# Altium PCB GameBoard_V1I1_Phase1.PcbDoc (part 12 of 18) (continued)
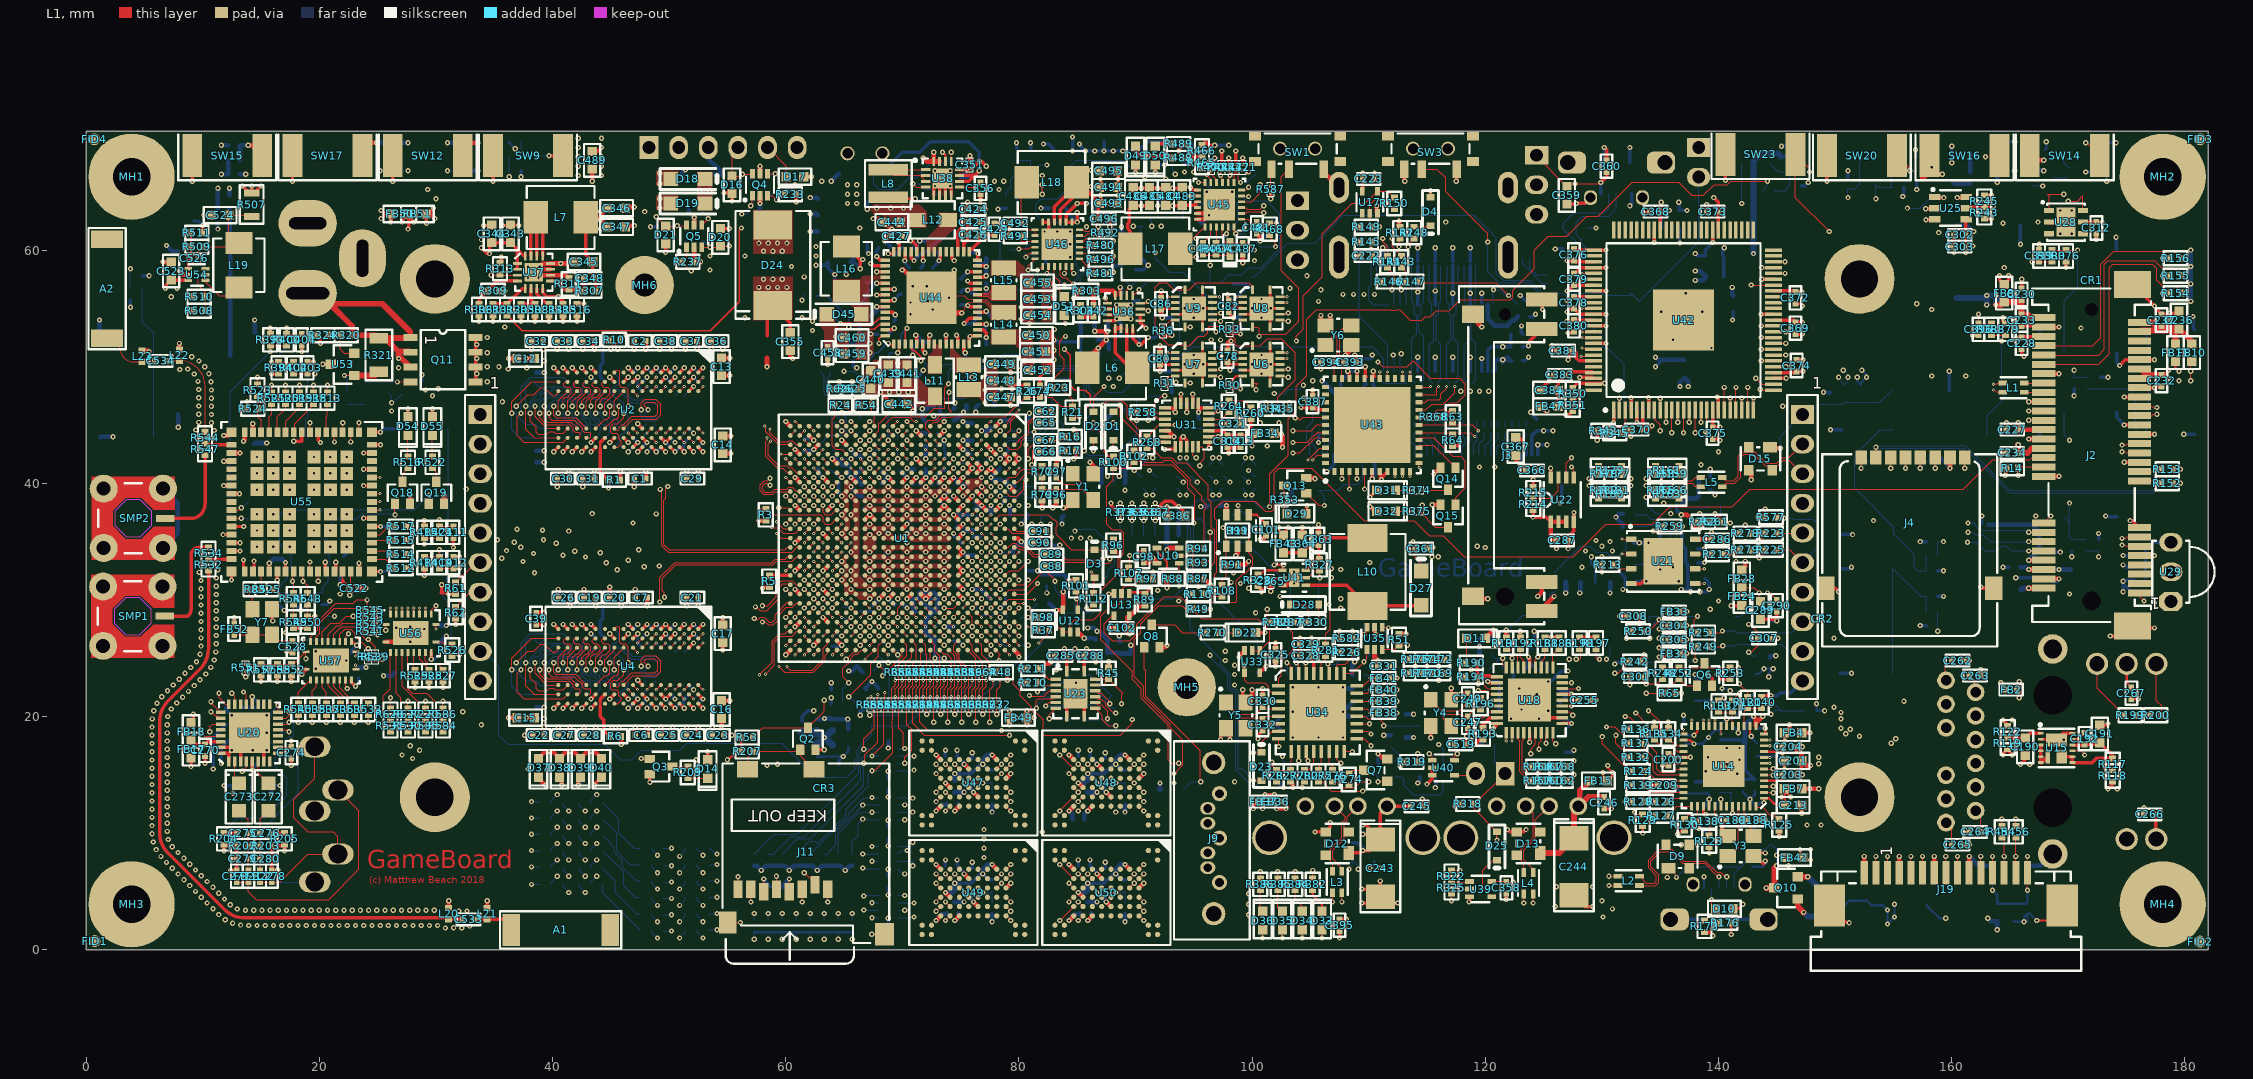
[diagram p0: L1 view]
## Nets (pads, with @x,y where several pads share a name; then routed paths per layer and width w, separated by ;. In a path a pad name is that pad's centre, name@x,y a point inside that pad or via, vN(x,y) a via of type N, cw(c..) or ccw(c..) an arc to the next point about the centre after c; other vN are vias at no path point) (continued)
  L1 w0.4: L23.2@4.8,51.375 5.325,51.375 v1(5.4,51.3) ; v1(6.6,59) 6.65,58.95 C523.2@7.3,58.95 ; L22.2@8,51.475 v1(8,52) ; v1(8,58.2) 8.3,57.9 U54.2@8.76,57.9 ; R511.1@10,61.5 v1(10,62.1) ; v1(10.1,63) C524.2@10.75,63 ; v1(11.8,39.8) U55.23@12.475,39.8 ; v1(11.8,41.9) U55.20@12.475,41.9 ; v1(11.8,44.1) 12.2,44.1 U55.17@12.475,44.375 ; U55.24@12.475,39.1 v1(13.15,39.1) ; U55.19@12.475,42.6 v1(13.2,42.6) ; v1(13.5,43.6) 13.6,43.7 U55.16@13.6,44.375 ; U55.15@14.3,44.375 v1(14.3,45.1) ; v1(17.2,25.6) 17.6,25.6 C528.1@17.7,25.5 ; v1(17.6,23) R552.1@17.6,23.5 ; v1(18.5,23.6) 18.5,23.7 U57.11@18.85,24.05 ; U56.11@25.7,26.4 27.1,26.4 U56.21@27.85,27.15 ; Q18.2@27.785,38.252 27.8,38.267 v1(27.8,39) ; Q19.2@30.685,38.252 30.7,38.266 v1(30.7,39) ; L20.2@31.1,3.575 v1(31.1,4.2) ; L21.2@34.4,3.575 v1(34.4,4.2) ; R309.1@35.4,56.5 v1(35.9,56.5) ; v2(36.25,19.9) C15.2@36.95,19.9 ; v2(36.25,50.7) C12.2@36.95,50.7 ; v2(37.6,18.4) C22.2@38.3,18.4 ; v2(38.2,51.5) C32.2@38.2,52.2 ; v1(38.5,53.9) R308.1@38.5,54.4 ; C39.2@38.6,28.9 v2(39.3,28.9) ; v1(39.7,53.9) R314.1@39.7,54.4 ; U37.11@39.81,58.35 U37.17@38.65,58.35 ; v2(40.4,39.7) C30.2@40.4,40.4 ; v2(40.4,51.5) C33.2@40.4,52.2 ; C27.2@40.5,18.4 v2(40.5,19.1) ; C26.2@40.5,30.2 v2(40.5,30.9) ; v1(40.9,53.9) R315.1@40.9,54.4 ; R311.1@41.4,57.6 41.15,57.85 U37.10@39.81,57.85 38.65,57.85 U37.17@38.4,58.1 U37.17@38.65,58.35 ; C345.2@41.95,59 41.8,58.85 v1(40.7,58.85) U37.12@39.81,58.85 39.81,58.82 39.12,58.82 U37.17@38.65,58.35 ; v1(42.1,53.9) R316.1@42.1,54.4 ; v2(42.6,39.7) C31.2@42.6,40.4 ; v2(42.6,51.5) C34.2@42.6,52.2 ; C28.2@42.7,18.4 v2(42.7,19.1) ; C19.2@42.7,30.2 v2(42.7,30.9) ; v1(43.4,65.9) C489.2@43.4,66.95 ; R1.1@45.8,40.3 v2(45.8,41) ; v2(45.9,17.6) R6.1@45.9,18.3 ; v2(45.9,29.5) C20.2@45.9,30.2 ; C347.2@46.25,62 46.35,62.1 v1(47,62.1) ; C346.2@46.25,63.6 46.35,63.7 v1(47,63.7) ; C1.2@48,40.4 v2(48,41.1) ; v2(48,51.5) C2.2@48,52.2 ; C6.2@48.1,18.4 v2(48.1,19.1) ; v2(48.1,29.5) C7.2@48.1,30.2 ; v2(50.2,51.5) C38.2@50.2,52.2 ; C25.2@50.3,18.4 v2(50.3,19.1) ; v2(52.4,51.5) C37.2@52.4,52.2 ; C24.2@52.5,18.4 v2(52.5,19.1) ; v2(52.5,29.5) C21.2@52.5,30.2 ; C29.2@52.5,40.4 v2(52.5,41.1) ; v2(54.5,19.15) C16.2@54.5,19.85 ; C13.2@54.5,50.75 v2(55.2,50.75) ; v2(54.6,25.7) C17.2@54.6,26.35 ; C14.2@54.6,44.05 v2(55.3,44.05) ; v2(54.6,51.5) C36.2@54.6,52.2 ; C23.2@54.7,18.4 v2(55.4,18.4) ; v1(57.7,36.8) R3.1@58.3,36.8 ; v1(58.4,50) 58.4,50.75 ; v2(60,25.3) U1.AE25@60.4,25.7 ; v2(60,45.3) U1.AE1@60.4,44.9 ; C355.2@60.4,51.4 60.4,50.9 v1(60.6,50.7) ; v2(60.8,27.7) U1.AD22@61.2,28.1 ; v2(60.8,30.9) U1.AD19@61.2,30.5 ; v2(60.8,32.5) U1.AD16@61.2,32.9 ; v2(60.8,34.9) U1.AD13@61.2,35.3 ; v2(60.8,38.1) U1.AD10@61.2,37.7 ; v2(60.8,40.5) U1.AD7@61.2,40.1 ; v2(60.8,42.9) U1.AD4@61.2,42.5 ; D17.2@61.55,66.3 v1(62.2,66.3) ; v2(62.4,26.1) U1.AB24@62.8,26.5 ; v2(62.4,42.9) U1.AB3@62.8,43.3 ; v2(63.2,28.5) U1.AA22@63.6,28.1 ; v2(63.2,30.9) U1.AA19@63.6,30.5 ; v2(63.2,32.5) U1.AA16@63.6,32.9 ; v2(63.2,35.7) U1.AA13@63.6,35.3 ; v2(63.2,40.5) U1.AA7@63.6,40.1 ; U1.AA10@63.6,37.7 v2(64,38.1) ; v1(63.6,50.2) C458.2@63.6,50.7 ; v2(64,42.1) U1.Y5@64.4,41.7 ; U1.Y24@64.4,26.5 v2(64.8,26.1) ; v2(64.8,43.7) U1.W3@65.2,43.3 ; U1.U11@66.8,36.9 v2(67.2,37.3) U1.T11@67.6,36.9 ; v1(67.5,62.7) 68.05,62.7 C444.2@68.35,62.4 68.5,62.4 v1(69.1,61.8) ; v2(68.5,60.8) 68.9,61.2 C427.2@69,61.2 ; v2(70,58.3) 70.1,58.3 U44.57@72.5,55.9 73.8,54.6 v2(75.1,54.6) ; v2(71.2,42.1) U1.L5@71.6,41.7 ; v2(71.2,44.5) U1.L2@71.6,44.1 ; v1(71.8,67.9) 72.1,67.6 U38.16@72.7,67.6 ; v1(72.7,68.4) U38.16@72.7,67.6 ; v2(72.9,2.5) U49.K8@73.3,2.9 ; v2(72.9,7.3) U49.K3@73.3,6.9 ; v2(72.9,11.9) U47.K8@73.3,12.3 ; v2(72.9,16.7) U47.K3@73.3,16.3 ; U1.J2@73.2,44.1 v2(73.6,44.5) ; U38.15@73.2,67.6 U38.16@72.7,67.6 ; U1.G19@74.8,30.5 v2(75.2,30.1) ; U1.G10@74.8,37.7 v2(75.2,38.1) ; U1.G3@74.8,43.3 v2(75.2,42.9) ; U1.F6@75.6,40.9 v2(76,41.3) U1.F5@75.6,41.7 ; C351.2@75.8,67.565 v1(75.8,68.1) ; v2(76.1,4.1) U49.F7@76.5,3.7 ; v2(76.1,13.5) U47.F7@76.5,13.1 ; U1.E6@76.4,40.9 v2(76.8,41.3) U1.E5@76.4,41.7 ; C424.2@76.6,63.5 v1(77.1,63.5) ; v1(76.7,64.3) C356.1@76.7,64.8 ; U1.D6@77.2,40.9 v2(77.6,41.3) U1.C6@78,40.9 ; U1.D3@77.2,43.3 v2(77.6,42.9) U1.C4@78,42.5 ; U1.C10@78,37.7 v2(78.4,38.1) ; U1.C1@78,44.9 v2(78.4,45.3) ; U1.B5@78.8,41.7 v2(79.2,42.1) U1.B4@78.8,42.5 ; U49.C5@78.9,5.3 v2(79.3,5.7) ; U47.C5@78.9,14.7 v2(79.3,15.1) ; v2(79.2,39.7) U1.A8@79.6,39.3 ; U1.A25@79.6,25.7 v2@80,25.3 ; U1.A13@79.6,35.3 79.9,35.3 v2(80.2,35) ; U1.A5@79.6,41.7 v2(80,42.1) U1.A4@79.6,42.5 ; v2(82,37.9) R79.2@82,38.5 ; v1(82.9,37.9) 83.2,38.2 C96.2@83.2,38.5 ; v1(83.8,37.9) 84,37.9 84.625,38.525 Y1.2@84.625,38.575 ; v2(84.3,2.5) U50.K8@84.7,2.9 ; v2(84.3,7.3) U50.K3@84.7,6.9 ; v2(84.3,11.9) U48.K8@84.7,12.3 ; v2(84.3,16.7) U48.K3@84.7,16.3 ; v1(84.7,55.9) R303.1@85.3,56.5 ; U12.3@85.05,27.25 v1(85.6,26.7) ; v1(86.1,41.8) 86.375,41.525 Y1.4@86.375,40.825 ; v1(86.6,24.7) C288.2@86.6,25.2 ; v2(87.5,4.1) U50.F7@87.9,3.7 ; v2(87.5,13.5) U48.F7@87.9,13.1 ; U50.C5@90.3,5.3 v2(90.7,5.7) ; U48.C5@90.3,14.7 v2(90.7,15.1) ; v1(90.3,33.8) 90.3,33.9 90.6,34.2 C98.2@90.7,34.2 ; Q8.2@92.05,25.95 92.55,25.95 v1(92.7,26.1) ; C80.2@92.1,51.2 v2(92.1,51.8) ; C86.2@92.2,55.9 v2(92.2,56.5) ; R36.1@92.4,52.835 92.535,52.7 v2(93.1,52.7) ; U31.5@92.525,44.5 92.8,44.5 v1(93.3,44) ; v1(92.7,34.3) 92.85,34.45 U10.3@93.75,34.45 ; v1(92.7,38) 92.7,37.275 C386.2@92.75,37.225 ; U45.18@95.3,62.65 95.95,62.65 v1(97.2,63.9) ; U45.17@95.3,63.15 U45.25@96.3,63.15 ; R470.1@96.5,67.365 96.5,67.6 v1(96.8,67.9) ; C78.2@97.9,51.4 97.9,52 98.1,52.2 v1(98.2,52.2) ; v1(98,42.6) 98,43 C314.2@97.9,43.1 C313.2@99,43.1 ; R33.1@98.1,52.935 98.865,52.935 v2(99,52.8) ; v1(98.6,33.8) 98.75,33.95 U11.2@98.75,34.6 ; v1(98.9,25.1) 98.9,25.2 U33.3@99.35,25.65 ; C321.2@98.9,45.1 v1(98.9,45.6) ; v1(99.2,58.9) C487.2@99.2,59.6 ; Y5.4@99.45,21.2 100,21.75 v1(100,22.3) ; C481.2@100.4,61.4 100.7,61.1 v1(100.7,60.8) ; R328.1@100.5,31.2 100.8,30.9 v1(100.8,30.7) ; v1(100.7,35.2) 100.757,35.2 100.829,35.128 C101.2@101.2,35.5 ; v1(101.6,30.735) C365.2@101.6,31.335 ; C325.2@102,25.8 v1(102,26.3) ; U41.3@102.605,31.25 102.95,31.25 U41.7@103.6,31.9 ; R35.1@103.2,46.4 v1(103.2,46.9) ; U41.7@103.6,31.3 v1(103.6,31.4) ; C329.2@104.1,26.2 v1(104.1,26.7) ; C364.2@104.3,35.55 v1(104.3,36.2) ; Q13.2@104.65,40.45 105.35,40.45 v1(105.4,40.4) ; C387.2@105.2,47.5 v1(105.2,48) ; C363.2@105.7,35.7 v1(105.7,36.45) ; v1(105.9,49.8) C394.1@105.9,50.4 ; v1(105.9,54.4) 105.9,53.95 Y6.4@106.3,53.55 106.7,53.95 v1(106.7,54.4) ; SW1.1@106.15,66.95 106.15,66.66 J1.MTG4@107.45,65.36 ; v1(108,51) 108.5,51.5 Y6.2@108.5,51.85 ; v1(108.8,51) 108.9,50.9 C393.1@108.9,50.4 ; v1(108.8,59.5) C222.2@109.3,59.5 ; v1(108.8,60.7) R145.1@109.3,60.7 ; C223.2@110.5,66.1 v1(110.5,66.6) ; v1(110.7,63.8) 110.7,63.2 U17.3@110.75,63.15 ; v1(112.6,62.5) 112.6,62.1 R142.2@112.7,62 ; C361.2@115,34.4 115.1,34.5 v1(115.5,34.5) ; v1(115.45,38.15) Q15.2@116.15,38.15 ; v1(115.6,40.8) Q14.2@116.15,41.35 ; J3.3@118.95,30.3 119.15,30.1 v1(120.2,30.1) ; J3.6@118.95,54.5 118.95,54.15 v1(119.7,53.4) ; D11.1@120,26.7 v1(120.7,27.4) ; R191.1@121.8,26.8 v1(121.8,27.4) ; v1(124.5,30.3) 124.85,30.65 J3.2@124.85,31.55 ; J3.1@124.85,29.05 124.85,29.25 v1(125.9,30.3) ; v1(136.8,37.3) 137.3,37.3 137.8,36.8 137.8,36.4 138.1,36.1 v1(138.4,36.1) 138.4,36.5 R262.2@138.2,36.7 ; D15.3@142.6,41.1 142.8,40.9 v1(142.8,40.3) ; v1(143,20) 143.2,19.8 U14.13@143.2,19.4 ; U14.13@143.2,19.18 U14.13@143.2,19.4 ; v1(143.8,20) U14.13@143.2,19.4 ; v1(145.2,9.7) R125.2@145.2,10.2 ; C203.2@146.5,15 v1(147.2,15) ; v1(147.15,11.7) C213.2@147.15,12.4 ; v1(147.2,17.4) C204.2@146.5,17.4 147.15,16.75 C201.2@147.15,16.2 147.55,15.8 v1(147.9,15.8) ; J19.1@152.5,6.6 v1(152.5,8) ; J19.4@155.5,6.6 v1(155.5,8) ; v1(158.3,67.1) SW16.1@158.3,67 ; J19.7@158.5,6.6 v1(158.5,8) ; v1(159.2,66.5) 158.8,66.5 SW16.1@158.3,67 ; v1(159.85,41.3) J4.C5@159.85,42.2 ; C303.1@160.2,60.3 C302.2@160.2,61.3 ; C262.1@161,24.8 v1(161.5,24.8) ; J19.10@161.5,6.6 v1(161.5,8) ; C263.1@162.5,23.5 v1(162.5,24) ; v1(164.2,42.6) C234.2@164.7,42.6 ; v1(166.6,43.8) J2.26@167.9,43.8 ; SW14.1@166.7,68.1 167.1,67.7 v1(167.9,67.7) ; J2.4@167.9,31.8 v1(169.2,31.8) ; J2.18@167.9,40.6 v1(169.2,40.6) ; J2.40@167.9,49.4 v1(169.2,49.4) ; U28.2@168.35,62.4 U28.7@169.8,62.4 ; SW16.1@158.3,67 158.1,67.2 SW16.1@158.1,68.1 157.5,67.5 157.5,66.1 158.3,66.9 SW16.1@158.3,67
  L12 w0.2: C186.2@66.4,29.05 66.415,29.035 C166.2@67.5,29.035 ; J5.5@138.75,5.275 v1(138.75,6.25) ; v1(141.1,1.3) 141.1,2.5 J5.9@141.2,2.6 ; C240.2@142.7,10.05 143.1,10.45 C214.2@143.1,11.3 143.8,11.3 v1(144,11.1) ; C241.2@142.9,7.1 143.8,7.1 144,7.3 v1(144,7.6) ; C357.2@157.85,3.8 158.95,2.7 v1(159.5,2.7) ; C475.2@165.3,2.45 165.35,2.4 v1(166.2,2.4) ; v1(167.3,2.5) 166.7,3.1 C476.2@166.5,3.1 ; v1(166.2,2.4) 166.2,2.8 C476.2@166.5,3.1 ; v1(166.2,2.4) 166.499,2.4 166.5,2.399 C476.2@166.5,3.1
  L12 w0.25: D8.2@162.6,36.525 v1(162.6,37.2)
  L12 w0.28: TP26.1@9.2,62.5 9.6,62.5 v1(10,62.1) ; C525.1@22.1,33.75 22.35,34 v1(22.35,34.55) ; v1(25.25,32.425) 26.2,32.425 SW18.1@26.45,32.675 ; v1(25.25,36.3) 25.875,36.3 SW19.2@26.45,35.725 ; v1(25.25,44.375) 25.55,44.675 SW19.1@26.45,44.675 ; R506.1@28.7,48.7 28.8,48.8 v1(28.8,49.3) ; R499.1@76.535,41.9 76.535,41.565 v2(76.8,41.3) ; C68.2@80.65,37.3 C68.2@80.7,37.35
  L12 w0.3: C402.2@4.8,57.8 v1(5.4,57.8) ; C281.2@11.8,9 11.8,8.508 v2(11.823,8.485) ; C268.2@11.98,20.811 11.98,20.62 v1(12.5,20.1) ; v2(12.4,6.8) C283.2@12.9,6.8 ; v1(37.3,66.3) C400.2@37.3,66.8 ; v2(40.1,20.7) U5.T1@40.5,21.1 ; v2(40.1,27.9) U5.T9@40.5,27.5 ; v2(40.1,42.7) U3.T1@40.5,43.1 ; v2(40.1,49.9) U3.T9@40.5,49.5 ; v2(41.7,20.7) U5.P1@42.1,21.1 ; v2(41.7,27.9) U5.P9@42.1,27.5 ; v2(41.7,42.7) U3.P1@42.1,43.1 ; v2(41.7,49.9) U3.P9@42.1,49.5 ; v2(43.3,20.7) U5.M1@43.7,21.1 ; v2(43.3,27.9) U5.M9@43.7,27.5 ; v2(43.3,42.7) U3.M1@43.7,43.1 ; v2(43.3,49.9) U3.M9@43.7,49.5 ; R2.1@45.8,52.3 45.9,52.3 v1(46.3,52.7) ; U5.J2@46.1,21.9 v2(46.5,21.5) ; U5.J8@46.1,26.7 v2(46.5,27.1) ; U3.J2@46.1,43.9 v2@46.5,43.5 ; U3.J8@46.1,48.7 v2(46.5,49.1) ; U5.G1@47.7,21.1 v2(48.1,21.5) ; U5.G8@47.7,26.7 v2(48.1,27.1) ; U5.G9@47.7,27.5 v2(48.1,27.9) U5.F9@48.5,27.5 ; U3.G1@47.7,43.1 v2(48.1,43.5) ; U3.G8@47.7,48.7 v2(48.1,49.1) ; U3.G9@47.7,49.5 v2(48.1,49.9) U3.F9@48.5,49.5 ; v2(48.9,20.7) U5.E1@49.3,21.1 ; v2(48.9,42.7) U3.E1@49.3,43.1 ; U5.E2@49.3,21.9 U5.D1@50.1,21.1 ; U5.E8@49.3,26.7 v2(49.7,27.1) U5.D8@50.1,26.7 ; U3.E2@49.3,43.9 U3.D1@50.1,43.1 ; U3.E8@49.3,48.7 v2(49.7,49.1) U3.D8@50.1,48.7 ; U5.B1@51.7,21.1 v2(52.1,20.7) ; U5.B3@51.7,22.7 v2(52.1,22.3) ; U5.B9@51.7,27.5 v2(52.1,27.9) U5.A9@52.5,27.5 ; U3.B1@51.7,43.1 v2(52.1,42.7) ; U3.B3@51.7,44.7 v2(52.1,44.3) ; U3.B9@51.7,49.5 v2(52.1,49.9) U3.A9@52.5,49.5 ; v1(54.7,64.9) C300.2@54.7,65.5 ; v2(58.115,6.065) 58.115,5.985 C284.2@58.7,5.4 ; v1(62.6,58.7) 63.375,58.7 C456.2@63.65,58.975 63.65,58.45 v1(64.2,57.9) 64.2,56.85 C470.2@65.05,56 ; R74.1@63.9,22.3 v1(63.9,22.9) ; R73.1@63.982,26.041 64.741,26.041 v2(64.8,26.1) ; 64.535,40 64.535,39.165 v2(64.8,38.9) ; R438.1@65.3,52.6 65.3,52.1 65.4,52 v2(67.2,52) ; R75.1@66.9,22.3 66.8,22.4 v1(67.4,23) R76.1@68,22.4 ; C457.2@67,60.5 67,59.8 v1(67.1,59.7) ; v2(67.2,30.1) v2@67.235,30.1 ; v2(67.3,52.8) C474.2@67.9,52.8 ; C123.2@68.4,37.865 68.565,37.865 v2(68.8,38.1) ; C157.2@69.865,29.6 70.1,29.6 v2(70.4,29.3) ; v1(70.9,46.2) 70.9,46.7 R208.1@71.4,47.2 ; C160.2@71.465,30.1 71.465,29.963 71.803,29.625 72.025,29.625 72.15,29.5 ; R19.1@72.8,26.7 v1(72.8,25) v1(73.6,25) ; v1(72.8,66.8) 72.85,66.8 C350.2@73.45,66.2 ; C510.2@73.7,7.2 v2(73.7,7.7) ; C501.2@73.7,16.6 v2(73.7,17.1) ; C141.2@74.4,26.45 74.85,26.45 v1(75.2,26.1) ; v1(74.4,35.7) 74.4,35.55 C109.2@75.05,34.9 ; R29.1@75.5,49.2 75.9,49.2 v1(76,49.1) ; C509.2@76,7 v2(76,7.5) ; C502.2@76,16.4 v2(76,16.9) ; C87.2@76.1,35.435 R84.1@76.7,35.435 ; C461.2@77.2,56.2 v2(77.2,56.7) C464.2@77.2,57.2 ; v1(78.2,63.5) 78.3,63.6 R485.1@78.9,63.6 ; v1(78.4,29.3) 78.85,29.75 C142.2@78.85,30.1 ; v2(78.4,38.1) 78.9,38.6 C95.2@78.935,38.6 ; v2(79.2,39.7) 79.265,39.765 C94.2@79.7,39.765 ; 79.238,47.463 79.4,47.625 v1(79.4,48.1) ; R484.1@79.8,68.7 v1(79.8,69.2) ; C63.2@80.7,45.4 80.9,45.6 v1(80.9,46) ; C161.2@80.75,32.5 v2(81.6,32.5) ; R483.1@81,68.7 v1(81,69.2) ; v1(82.1,69.1) 82.575,69.1 D52.2@83,68.675 ; C490.2@82.3,58.9 C491.2@82.3,59.9 ; C497.2@82.3,60.9 C491.2@82.3,59.9 ; v2(83,52.3) 83.175,52.125 85.075,52.125 C340.2@85.25,52.3 C339.2@85.25,50.9 ; v1(84.4,60.5) v1(84.4,59.4) 83.3,59.4 82.8,59.9 C491.2@82.3,59.9 ; C515.2@85.1,7.2 v2(85.1,7.7) ; C506.2@85.1,16.6 v2(85.1,17.1) ; C514.2@87.4,7 v2(87.4,7.5) ; C505.2@87.4,16.4 v2(87.4,16.9) ; v1(88.4,54.1) 88.75,53.75 C337.2@88.75,52.6 ; R302.1@88.8,55.2 89.5,55.2 v1(89.6,55.3) 89.95,55.65 C338.2@90.3,55.65 ; R297.1@90,58.3 90.7,58.3 v1(91.1,58.7) 90.425,59.375 D48.2@90.425,59.6 ; v1(93.2,65.3) 93.575,65.3 ; v1(95.4,46.1) 95.4,45.6 C319.2@95.5,45.5 ; C326.2@103.4,18.9 103.4,18.3 v1(103.5,18.2) ; C327.2@103.4,19.9 103.4,20.3 v1(103.5,20.4) ; v1(105.7,43.5) D30.2@105.7,44.175 ; v1(106.4,41) 107,41.6 LCD1.36@107,42.45 ; C389.2@108.2,46.9 107.6,47.5 107.6,48.7 108.2,49.3 v2(108.2,49.6) v2(109,49.6) ; v1(110.3,40.4) 110.5,40.6 LCD1.29@110.5,42.45 ; C333.2@110.8,20.3 C334.2@110.8,21.3 v1(111.3,21.8) C335.2@110.8,22.3 C336.2@110.8,23.3 v1(111.4,23.9) ; v1(114.2,14.3) 114.375,14.475 U52.3@114.375,14.85 ; U16.14@114.2,49.6 v1(114.2,50.8) ; U16.25@114.2,55.3 114.2,56.3 J1.11@114.2,58.64 ; J1.11@114.2,59 v1(114.2,60.2) ; v1(115.7,13.9) 115.75,13.95 U51.3@115.75,14.55 ; U16.11@115.7,49.6 v1(115.7,50.8) ; U16.28@115.7,55.3 115.7,56.3 J1.8@115.7,58.64 ; J1.8@115.7,59 v1(115.7,60.2) ; U16.8@117.2,49.6 v1(117.2,50.8) ; U16.31@117.2,55.3 J1.5@117.2,58.64 ; J1.5@117.2,59 v1(117.2,60.2) ; v1(117.9,21.9) 118.55,21.25 C254.2@118.55,21.2 ; C520.1@118.4,17.6 v1(119.1,17.6) R326.1@119.8,17.6 ; v1(118.4,18.3) 118.4,18.9 118.5,19 ; U16.5@118.7,49.6 v1(118.7,50.8) ; U16.34@118.7,55.3 v1(118.7,56.3) J1.2@118.7,58.64 ; J1.2@118.7,59 v1(118.7,60.2) ; U16.3@119.7,49.6 v1(119.7,50.7) ; U16.36@119.7,55.5 v1(119.7,56.3) ; R185.2@122.4,24 122.4,23.1 C257.2@122.2,22.9 122.7,22.4 v1(122.9,22.4) 122.9,22.3 C260.1@122.2,21.6 C256.2@122.2,20.5 122.9,19.8 C259.2@123.8,19.8 123.8,19.9 124.2,20.3 124.3,20.3 ; C248.2@123,26.8 v1(123,27.3) ; v1(123,56.1) C221.2@123.8,55.3 ; C218.2@123.2,50.5 123.4,50.5 v1(123.7,50.8) ; C219.2@123.2,51.7 123.6,51.7 v1(123.7,51.8) ; C252.2@123.4,23 C253.1@124.4,23 125.2,22.2 C250.2@125.4,22.2 C251.1@125.4,21.2 125.2,21.2 124.3,20.3 ; LCD1.3@123.5,42.45 v1(123.5,43.3) ; C220.2@123.8,54.3 124.1,54.3 v1(124.3,54.5) ; v1(123.9,46.1) 123.9,46 C362.2@124.4,45.5 ; C258.2@125.4,19.8 124.9,20.3 124.3,20.3 ; v1(125.4,23) 125.6,23 R195.1@126.5,23.9 v1(127.1,23.9) ; v1(126,60.1) D26.3@126.7,60.1 ; v1(126.4,38.3) 126.55,38.45 LCD1.41@126.55,39.8 ; J18.9@130.1,67.5 130.2,67.6 v1(130.2,68.8) ; v1(131.1,24.5) 131.25,24.65 U24.3@131.85,24.65 ; v1(132.4,63.8) 132.55,63.95 J18.5@132.55,64.825 ; J18.10@132.4,67.5 v1(132.4,68.8) ; C317.2@133,31.6 v1(133.8,31.6) ; U27.3@134.05,27.25 134.05,26.75 v1(134.1,26.7) ; v1(134.9,25.9) 135.065,26.065 U26.2@135.8,26.065 ; v1(135,32.6) R265.1@135,33.2 ; C382.2@135.4,52.15 135.55,52.3 v1(136.1,52.3) ; J5.11@135.875,2.6 J5.10@138.9,2.6 ; v1(136.1,32.8) C320.2@136.1,33.4 ; U30.7@136.4,38.175 136.4,37.7 v1(136.8,37.3) ; C371.2@136.65,61.9 136.65,60.65 v1(136.7,60.6) ; C198.2@137,19.5 v1(137,20.1) ; C199.2@137.01,16.49 137.59,16.49 v1(137.6,16.5) ; U30.13@137.675,35.9 137.875,36.1 137.975,36.1 ; U30.12@137.675,36.4 137.975,36.1 ; C211.2@138,14.4 C212.2@139,14.4 ; v1(138,59.7) 138.2,59.5 C377.2@138.85,59.5 138.85,60 v2(139.5,60.65) ; C315.2@138.2,33.2 v1(138.8,33.2) ; C316.2@138.2,34.4 v1(138.8,34.4) ; v1(138.3,10.4) 138.6,10.4 C195.2@138.9,10.1 ; v1(138.4,36.1) 137.975,36.1 ; v1(139.1,23.6) 139.5,23.2 C208.2@139.5,22.85 ; C197.2@140.2,18 C210.2@141.2,18 141.9,18 142.3,17.6 C202.2@142.3,16.6 142.3,15.4 C216.2@143.1,14.6 C217.2@142.1,14.6 141.9,14.4 C212.2@139,14.4 ; C194.2@141.1,16.8 141.1,16.3 v1(140.7,15.9) 139.95,15.9 139.65,15.6 139.65,15.05 C212.2@139,14.4 ; J5.9@141.2,2.6 J5.8@144.225,2.6 ; C306.2@144.4,25.2 144.4,25 144.6,25.2 v1(144.9,25.2) ; C309.2@144.4,28.2 v1(145,28.2) ; v1(144.5,21.8) 145.05,21.8 C205.2@145.3,22.05 146.21,22.05 J12.10@147.2,23.04 ; C413.2@147.1,65.5 147.4,65.5 v1(147.7,65.8) ; v1(149,47.8) 149.4,47.8 149.5,47.7 C298.2@149.6,47.8 ; v1(149.6,44.6) 150.525,44.6 SW22.1@150.55,44.575 ; SW21.2@150.45,23.725 150.475,23.7 v1(151.4,23.7) ; SW21.1@150.45,32.675 151.275,32.675 v1(151.4,32.8) ; SW22.2@150.55,35.625 151.475,35.625 v1(151.5,35.6) ; v1(155.8,64.6) 155.9,64.7 C410.2@155.9,65.4 ; v1(157.3,27.8) C415.2@157.8,27.8 ; v1(157.3,35) C414.2@157.8,35 ; C239.2@159.1,42.2 159.1,42.05 v1(159.85,41.3) ; C297.2@159.8,48 v1(159.8,49.6) ; C225.2@160.4,62.12 161.38,62.12 v1(161.9,61.6) ; v1(164.4,32.8) C226.2@164.9,32.8 ; v1(165.5,31.9) C231.2@166,31.9 C235.2@167.2,31.9 ; v1(165.9,60.5) C224.2@165.9,62.12 ; SW7.2@167.55,53.075 167.875,53.4 v1(169.2,53.4) ; C238.2@168.5,34.1 v1(169.3,34.1) ; v2(170.5,47.5) C397.2@170.5,48.1 ; v1(171.5,66.7) C407.2@172.3,66.7 ; C398.2@172.6,35.2 v1(172.6,35.7) ; v1(173.2,37.2) 173.275,37.125 SW5.1@174.15,37.125 ; v1(174.1,61.1) 174.1,60.125 SW4.2@174.15,60.075 ; SW5.2@174.15,46.075 174.15,45.65 v1(174.8,45) ; SW4.1@174.15,51.125 174.15,50.35 v1(174.4,50.1) ; v1(174.7,33) 174.8,33 175,32.8 C311.2@175.6,32.8 ; v1(174.7,33.8) C310.2@175.6,33.8 ; v1(179.9,44.2) 180.825,44.2 SW6.1@180.85,44.225 ; v1(180.7,54.3) 180.7,53.325 SW6.2@180.85,53.175
  L12 w0.35: RN3.1@68.8,2.1 v2(68.8,2.7) ; v2(68.8,4.7) RN3.6@68.8,5.3 ; RN4.1@68.8,6.3 v2(68.8,6.9) ; v2(68.8,8.9) RN4.6@68.8,9.5 ; RN1.1@68.8,10.5 v2(68.8,11.1) ; v2(68.8,13.1) RN1.6@68.8,13.7 ; RN2.1@68.8,14.7 v2(68.8,15.3) ; v2(68.8,17.3) RN2.6@68.8,17.9
  L12 w0.4: v1(1.15,54) 1.15,52.95 SW13.1@1.2,52.9 ; SW13.2@1.2,43.95 1.25,44 v1(2.3,44) ; SMP2.2@6.59,34.46 7.85,35.72 SW10.2@7.85,36.95 7.85,38.28 SMP2.3@6.59,39.54 ; v1(6.9,60.4) 7.4,59.9 SW8.1@7.85,59.9 ; SW10.1@7.85,45.9 7.9,45.85 v1(7.9,44.8) ; SW8.2@7.85,50.95 8,51.1 v1(8,52) ; C405.2@12.3,64.7 v1(12.3,65.3) ; C409.2@13.2,66.5 v1(13.7,66.5) ; R201.2@13.7,17.1 v1(14.3,17.1) ; SW11.2@14.4,43.4 14.45,43.45 v1(15.5,43.45) ; v1(14.45,54) 14.45,52.95 SW11.1@14.5,52.9 ; C271.2@14.823,17.104 14.827,17.1 v1(15.5,17.1) ; C269.2@14.823,19.904 15.304,19.904 v1(15.5,20.1) ; v1(15.7,33.15) 16.05,33.5 C527.1@16.4,33.5 16.8,33.5 v1(17.1,33.2) ; C532.2@21.8,25.4 21.8,25.3 v1(22.3,24.8) ; C531.1@23.4,24.2 v1(24,24.2) ; v1(25.2,66.8) C408.2@25.8,66.8 ; v1(25.5,23.5) 26.225,23.5 SW18.2@26.45,23.725 ; C529.1@30.3,26.3 v1(30.9,26.9) ; C530.2@30.4,27.8 v1(30.9,27.8) ; C401.2@32.8,66.8 v1(33.6,66.8) ; C40.2@38.6,19.8 v2(39.3,19.8) ; C49.2@38.6,41.8 v2(39.3,41.8) ; C35.2@38.6,50.5 v2(39.3,50.5) ; v2(40.4,39.7) C58.2@40.4,40.4 ; v2(40.4,51.5) C50.2@40.4,52.2 ; C48.2@40.5,18.4 v2(40.5,19.1) ; C41.2@40.5,30.2 v2(40.5,30.9) ; v2(42.6,39.7) C57.2@42.6,40.4 ; v2(42.6,51.5) C51.2@42.6,52.2 ; C47.2@42.7,18.4 v2(42.7,19.1) ; C42.2@42.7,30.2 v2(42.7,30.9) ; C55.2@45.8,40.4 v2(45.8,41) ; v2(45.9,29.5) R7.1@45.9,30.3 ; C4.2@48,40.4 v2(48,41.1) ; v2(48,51.5) C3.2@48,52.2 ; C8.2@48.1,18.4 v2(48.1,19.1) ; v2(48.1,29.5) C9.2@48.1,30.2 ; v2(50.2,51.5) C52.2@50.2,52.2 ; C46.2@50.3,18.4 v2(50.3,19.1) ; C299.2@51.15,66 51.15,66.65 v1(51.4,66.9) ; v2(52.4,51.5) C53.2@52.4,52.2 ; C45.2@52.5,18.4 v2(52.5,19.1) ; v2(52.5,29.5) C43.2@52.5,30.2 ; C56.2@52.5,40.4 v2(52.5,41.1) ; v2(54.6,51.5) C54.2@54.6,52.2 ; C44.2@54.7,18.4 v2(55.4,18.4) ; C5.2@61.6,42.8 62.3,42.8 v2(62.4,42.9) ; v1(62.1,61.6) C353.2@62.75,61.6 ; v1(62.1,63.1) 62.65,63.1 C354.2@62.75,63 ; v1(62.1,64.5) 62.65,64.5 C352.2@62.75,64.4 ; R11.1@62.675,19.775 63.275,19.775 v2(63.325,19.825) 63.925,19.825 63.975,19.775 v2(65.325,19.775) 65.375,19.725 65.375,18.925 ; R4.1@62.8,41.2 62.8,40.9 v2(63.2,40.5) ; v1(63.9,65.9) SW2.1@64.55,66.55 ; v2(64,42.1) 64.3,42.1 64.835,41.565 C84.2@65.4,41.565 ; v2(65.6,39.7) 65.6,39.642 66.342,38.9 C83.2@66.5,38.9 ; v1(67,63.5) 67,64.05 C445.2@67.55,64.6 ; C430.2@68.946,60.354 v2(68.5,60.8) 68.5,61.35 C446.2@68.4,61.45 68.75,61.45 v1(69.1,61.8) 69.45,61.45 C443.2@69.9,61.45 ; C428.2@71,60.2 71.5,60.7 v2(71.5,60.8) C423.2@72,60.8 ; v2(71.15,52.7) 71.75,52.1 C434.2@72.1,52.1 ; v2(71.2,44.5) 71.4,44.3 C75.2@72,44.3 ; C160.2@71.465,30.1 71.475,30.09 71.475,30.625 72.217,30.625 72.242,30.6 72.328,30.6 72.759,30.6 73.035,30.324 73.035,29.893 72.985,29.843 72.985,29 C162.2@72.65,29 ; C72.2@72,45.3 71.7,45.6 v1(71.7,46.4) 72.1,46.4 72.3,46.6 R28.1@72.735,46.6 ; 72.15,29.5 C162.2@72.65,29 ; R19.1@72.8,26.7 72.5,26.7 72,27.2 72,28.35 C162.2@72.65,29 ; v2(72.9,2.5) 72.9,2.558 73.367,3.025 73.725,3.025 C511.2@73.8,3.1 ; v2(72.9,11.9) 72.9,11.958 73.367,12.425 73.725,12.425 C500.2@73.8,12.5 ; v2(75.2,42.9) 75.365,42.9 R103.1@75.8,42.465 ; v2(75.2,45.3) 75.35,45.15 C154.2@76,45.15 ; v2(75.3,4.9) 75.5,4.7 C513.1@75.9,4.7 75.9,4.3 v2(76.1,4.1) ; v2(75.3,14.3) 75.5,14.1 C503.1@75.9,14.1 75.9,13.7 v2(76.1,13.5) ; v2(78.4,45.3) 78.5,45.4 R15.1@79.2,45.4 ; C164.2@78.965,40.3 78.965,39.935 v2(79.2,39.7) ; R41.1@79.465,34.1 79.465,34.265 v2(80.2,35) 80.6,34.6 C150.2@80.95,34.6 ; v2(80.2,36.5) 80.65,36.95 80.65,37.3 C68.2@80.75,37.3 ; v2(81.6,32.5) 81.9,32.2 C92.2@82.4,32.2 C100.2@83.6,32.2 ; v1(81.9,63.6) C498.2@82.55,63.6 ; v1(83.2,24) 83.2,24.55 C167.2@83.55,24.9 ; C100.2@83.8,32.2 v1(84.3,31.7) ; v2(84.3,2.5) 84.3,2.558 84.767,3.025 85.125,3.025 C516.2@85.2,3.1 ; v2(84.3,11.9) 84.6,11.6 C504.2@84.6,11.2 ; C340.2@85.25,52.3 85.3,52.35 R300.1@85.3,53.8 ; v1(85.6,26.7) 86.5,26.7 C169.2@86.6,26.6 ; v2(86.7,4.9) 86.9,4.7 C518.1@87.3,4.7 87.3,4.3 v2(87.5,4.1) ; v2(86.7,14.3) 86.9,14.1 C508.1@87.3,14.1 87.3,13.7 v2(87.5,13.5) ; R85.1@87.1,40 87.075,40.025 R86.1@87.075,40.975 ; v1(87.1,41.8) R86.1@87.1,41.2 ; v1(87.25,45.2) 87.25,45.25 R440.1@88.1,46.1 ; v1(88.8,62) 88.8,61.45 C488.2@88.95,61.3 ; R298.1@91.8,55.8 92.2,56.2 v2(92.2,56.5) ; v1(92.7,34.3) CTP1.2@92.7,35.55 C385.2@92.7,37.4 v1(92.7,38) ; 93.1,47.8 C79.2@93.1,48.4 ; v2(93.1,52.7) C85.2@93.1,53.3 ; v1(95.6,38) 96.1,38 C99.2@96.2,38.1 ; C479.2@95.6,62.35 95.65,62.35 v1(96.3,63) ; v1(96.8,67.9) 96.9,67.8 R479.1@96.9,67 ; v1(97.2,63.9) C477.2@97.8,63.9 ; v2(99,48.1) C77.2@99,48.7 ; v2(99,52.8) C81.2@99,53.4 ; R95.1@99.5,36.2 v1(100.1,36.2) ; v1(100.7,60.8) C482.2@101.2,61.3 ; R283.1@102.1,14.4 102.2,14.4 v1(102.7,13.9) ; LCD1.42@102.95,39.8 103.4,39.35 v1(103.4,38.3) ; v1(106,48.8) 107.9,46.9 C389.2@108.2,46.9 C388.2@109.2,46.9 C391.2@110.2,46.9 C390.2@111.2,46.9 111.55,46.55 C392.2@112.4,46.55 ; v1(107.8,22.5) 107.9,22.4 R292.1@108.6,22.4 ; R290.1@108.6,20 108.2,20 v1(107.8,20.4) R291.1@108.6,21.2 ; R293.1@108.6,23.6 108.6,24.5 v1(108.8,24.7) 108.696,24.804 R228.1@108.696,25.6 ; J1.17@111.2,58.64 v1(111.2,60.2) ; v1(111.3,18.4) C521.1@111.9,18.4 ; C242.2@120.5,26.6 120.5,27.1 120.7,27.3 v1(120.7,27.4) ; v1(128.1,30.6) 128.165,30.665 U19.6@128.165,31.5 ; v1(130,33.7) 130,33.2 C261.2@130.1,33.1 ; C323.2@131.8,36.3 131.8,36.5 v1(131.2,37.1) 131.5,37.4 R267.2@131.8,37.4 ; U32.3@132.75,34.95 132.8,34.9 v1@133.8,34.9 ; C318.2@134,34.4 v1(134,34.9) ; C324.2@139.3,39.4 v1(139.7,39) ; v1(141.183,56.8) 141.183,56.167 141.25,56.1 ; C196.2@142.3,17.7 142.275,17.7 142.275,18.975 C215.2@142.3,19 142.3,19.3 v1(143,20) ; Q17.2@157.85,66.45 Q17.2@158.25,66.45 158.3,66.5 v1(158.3,67.1) ; v1(161.5,8) 162.3,7.2 R459.1@163.5,7.2 ; v1(163.9,65.8) C406.2@163.9,66.8 ; R458.1@166.5,7.2 167.645,7.2 J8.18@168.657,8.212 ; v1(166.6,43.8) 167.225,43.8 SW7.1@167.55,44.125 ; Q16.2@166.85,66.85 167.85,66.85 v1(167.9,66.8) ; C229.2@168.6,31.6 169,31.6 v1(169.2,31.8) ; R86.1@87.075,40.975 87.1,41 87.1,41.1 R86.1@87.1,41.2 ; R86.1@87.075,40.975 87.075,41.2 R86.1@87.1,41.2 ; v1@133.8,34.9 v1(134,34.9) ; v1@133.8,34.9 v1(134,34.9)
  L12 w0.45: C512.2@74.5,4.1 v2(75.3,4.1) ; C499.2@74.5,13.5 v2(75.3,13.5) ; v2(77.7,2.4) R503.1@77.7,3 ; v2(77.7,11.8) R498.1@77.7,12.4 ; C517.2@85.9,4.1 v2(86.7,4.1) ; C507.2@85.9,13.5 v2(86.7,13.5) ; v2(89.1,2.4) R505.1@89.1,3 ; v2(89.1,11.8) R501.1@89.1,12.4